# KiCad board architeuthis_dux_right.kicad_pcb (continued)
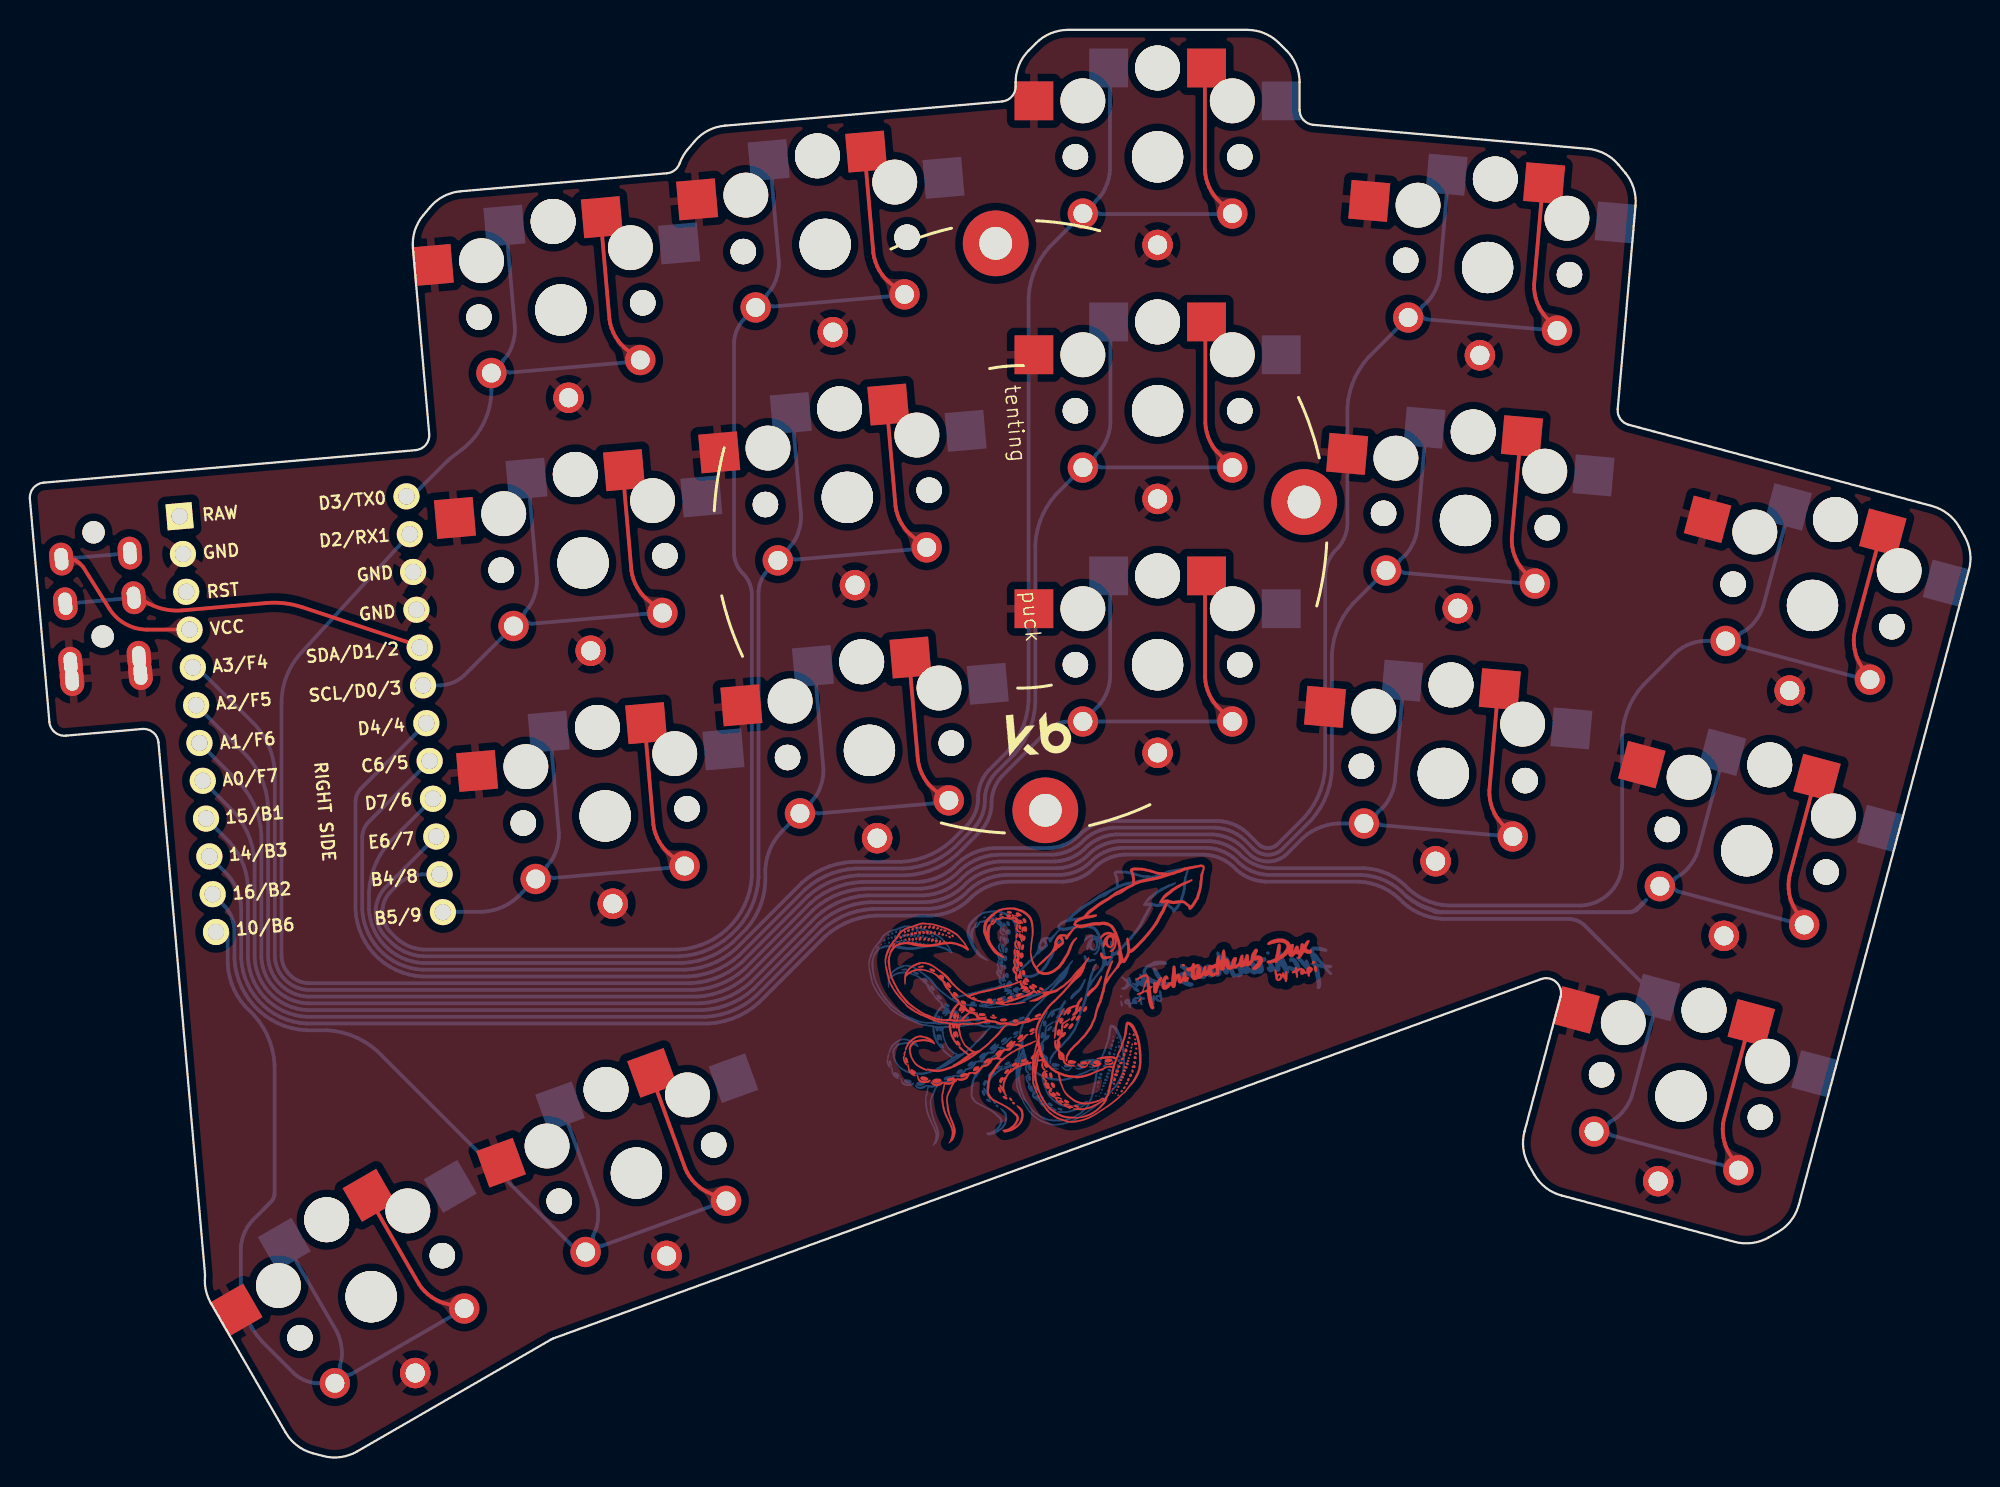
[diagram p0: board, top side]
## Routing (per net, layer and track width the routed paths; a pad name or vN(x,y) marks a point on that pad's centre or on a via; arc(x,y) is an arc through that point) (continued)
P7: length 140.8
  Top w0.25: 114.35,19.25 113.62,20.5 113.5,20.78 113.4,21.07 113.33,21.37 113.29,21.67 113.28,21.98 113.3,22.29 113.35,22.59 115.08,29.05
  Bottom w0.25: 114.35,19.25 105.86,21.53 105.72,21.61 105.62,21.73 105.55,21.88 105.53,22.03 105.56,22.19 105.63,22.33 105.74,22.45 106.02,22.61 106.22,22.75 106.4,22.91 106.56,23.09 106.81,23.41 106.97,23.67 107.11,23.95 107.22,24.23 108.95,30.69 ; C1.10 13.2,39.03 13.43,38.75 13.63,38.45 13.79,38.14 13.93,37.81 14.03,37.47 14.1,37.12 14.14,36.76 14.14,33.39 14.18,32.95 14.27,32.5 14.4,32.07 14.58,31.65 14.79,31.26 15.04,30.88 15.33,30.53 15.64,30.21 15.99,29.93 16.37,29.68 16.77,29.46 17.18,29.29 17.61,29.16 18.06,29.07 18.51,29.03 45.39,29.03 45.92,29.08 46.45,29.18 46.96,29.34 47.45,29.54 47.93,29.8 48.37,30.09 48.78,30.43 53.2,34.85 53.61,35.19 54.06,35.48 54.53,35.74 55.02,35.94 55.53,36.1 56.06,36.2 56.59,36.25 60.35,36.25 60.73,36.29 61.1,36.36 61.47,36.47 61.82,36.62 62.16,36.8 62.47,37.01 62.77,37.25 63.04,37.52 63.33,37.77 63.65,37.98 63.98,38.16 64.34,38.3 64.7,38.41 65.07,38.49 65.45,38.53 69.17,38.53 69.47,38.55 69.77,38.61 70.06,38.7 70.34,38.82 70.61,38.96 70.86,39.13 71.1,39.32 71.31,39.54 71.55,39.73 71.8,39.9 72.07,40.04 72.35,40.16 72.64,40.25 72.94,40.31 73.24,40.34 78.59,40.34 78.9,40.31 79.19,40.25 79.49,40.16 79.77,40.04 80.03,39.9 80.29,39.73 80.52,39.54 80.74,39.32 80.97,39.13 81.22,38.96 81.49,38.82 81.77,38.7 82.06,38.61 82.36,38.55 82.66,38.53 88.94,38.53 89.35,38.48 89.77,38.4 90.17,38.28 90.55,38.12 90.92,37.92 91.27,37.69 91.59,37.42 91.89,37.13 92.21,36.86 92.56,36.63 92.93,36.43 93.32,36.27 93.72,36.15 94.13,36.07 94.55,36.03 103.01,36.03 103.17,36.01 103.33,35.98 103.48,35.93 103.63,35.87 103.77,35.8 103.9,35.71 104.03,35.61 S1.1
P8: length 66.1
  Top w0.25: 46.58,17.16 45.28,17.77 45.01,17.93 44.76,18.11 44.54,18.31 44.33,18.54 44.15,18.78 43.99,19.05 43.86,19.32 41.57,25.61
  Bottom w0.25: 35.6,23.43 37.89,17.15 37.96,16.85 38.01,16.55 38.03,16.25 38.01,15.84 37.98,15.6 37.92,15.37 37.84,15.14 37.7,14.84 37.68,14.68 37.7,14.53 37.77,14.38 37.88,14.27 38.01,14.19 38.17,14.15 38.32,14.16 46.58,17.16 ; C1.11 13.05,36.87 13.2,36.68 13.34,36.48 13.45,36.26 13.55,36.04 13.62,35.8 13.67,35.56 13.69,35.32 13.69,33.37 13.74,32.88 13.83,32.39 13.98,31.92 14.17,31.46 14.4,31.02 14.68,30.61 14.99,30.23 15.34,29.88 15.72,29.56 16.14,29.29 16.57,29.06 17.03,28.87 17.51,28.72 17.99,28.63 18.48,28.58 19.86,28.58 20.39,28.53 20.92,28.42 21.43,28.27 21.92,28.06 22.4,27.81 22.84,27.51 23.25,27.17 36.54,13.89 36.58,13.85 36.63,13.82 36.68,13.79 36.74,13.77 36.8,13.75 36.85,13.74 36.91,13.73 S32.1
P9: length 66.4
  Top w0.25: 22.69,17.38 26.03,11.59 26.21,11.34 26.41,11.11 26.63,10.9 26.88,10.72 27.14,10.56 27.41,10.42 27.7,10.31 29.09,9.94
  Bottom w0.25: 29.09,9.94 21.48,5.55 21.32,5.51 21.17,5.52 21.02,5.58 20.89,5.67 20.8,5.8 20.75,5.95 20.74,6.11 20.83,6.43 20.87,6.67 20.88,6.91 20.88,7.15 20.82,7.55 20.75,7.85 20.66,8.14 20.53,8.42 17.19,14.21 ; S34.1 19.25,4.95 19,4.97 18.76,5.02 18.52,5.09 18.3,5.18 18.08,5.3 17.87,5.44 17.68,5.59 15.52,7.76 15.18,8.17 14.88,8.62 14.63,9.09 14.43,9.58 14.27,10.09 14.17,10.62 14.11,11.15 14.11,13.97 14.14,14.27 14.2,14.56 14.29,14.84 14.4,15.11 14.54,15.37 14.7,15.61 14.89,15.84 16.15,17.1 16.2,17.17 16.25,17.24 16.29,17.31 16.32,17.39 16.35,17.47 16.36,17.56 16.37,17.64 16.37,26.26 16.32,26.78 16.22,27.3 16.07,27.8 15.87,28.29 15.62,28.75 15.33,29.19 14.99,29.59 14.41,30.17 14.13,30.52 13.88,30.89 13.67,31.28 13.5,31.69 13.37,32.12 13.28,32.56 13.24,33 13.24,35.08 13.24,35.09 13.23,35.11 13.22,35.12 13.21,35.13 13.2,35.14 13.19,35.15 13.17,35.15 13.16,35.15 12.61,35.15 12.58,35.15 12.54,35.14 12.52,35.12 12.49,35.09 12.47,35.06 12.46,35.03 12.45,35 12.45,34.81 ; 16.46,14.82 S33.1
P10: length 36.2
  Top w0.25: 43.8,39.54 42.69,40.47 42.48,40.69 42.29,40.92 42.12,41.18 41.98,41.45 41.87,41.74 41.78,42.03 41.72,42.33 41.14,48.99
  Bottom w0.25: C1.24 27.65,36.5 27.67,36.51 27.68,36.51 30.28,36.51 30.65,36.54 31.01,36.62 31.36,36.72 31.7,36.86 32.03,37.04 32.33,37.24 32.62,37.48 S26.1 ; 43.8,39.54 35.04,38.77 34.89,38.81 34.75,38.88 34.64,39 34.57,39.14 34.54,39.29 34.55,39.45 34.62,39.6 34.83,39.85 34.97,40.05 35.08,40.26 35.18,40.48 35.3,40.87 35.36,41.17 35.39,41.47 35.4,41.78 34.81,48.44
P14: length 87.6
  Top w0.25: 57.34,70.31 57.93,63.64 57.98,63.34 58.07,63.05 58.18,62.77 58.33,62.49 58.49,62.24 58.68,62 58.9,61.78 60,60.85
  Bottom w0.25: C1.22 23.76,38.11 23.61,37.93 23.48,37.73 23.37,37.52 23.28,37.3 23.21,37.08 23.16,36.85 23.14,36.61 23.14,36.37 23.16,36.14 23.21,35.91 23.28,35.68 23.37,35.46 23.48,35.25 23.61,35.06 23.76,34.87 24.24,34.39 24.49,34.19 24.77,34 25.06,33.85 25.36,33.72 25.68,33.62 26,33.56 26.33,33.53 43.48,33.53 44.01,33.58 44.54,33.68 45.05,33.84 45.54,34.04 46.01,34.3 46.46,34.59 46.87,34.93 47.35,35.42 47.69,35.83 47.99,36.27 48.24,36.75 48.45,37.24 48.6,37.75 48.71,38.28 48.76,38.81 48.76,57.94 48.78,58.15 48.82,58.36 48.89,58.57 48.97,58.77 49.07,58.96 49.19,59.14 49.33,59.31 S22.1 ; 51.02,69.75 51.6,63.09 51.6,62.79 51.57,62.48 51.5,62.18 51.38,61.8 51.29,61.57 51.17,61.36 51.03,61.16 50.82,60.91 50.76,60.76 50.74,60.61 50.77,60.45 50.84,60.31 50.95,60.2 51.09,60.12 51.25,60.09 60,60.85
P15: length 75
  Top w0.25: 61.5,43.86 60.39,44.79 60.18,45.01 59.99,45.24 59.82,45.5 59.68,45.77 59.57,46.06 59.48,46.35 59.42,46.65 58.84,53.31
  Bottom w0.25: 61.5,43.86 52.75,43.09 52.59,43.12 52.45,43.2 52.34,43.31 52.27,43.46 52.24,43.61 52.26,43.77 52.32,43.91 52.53,44.17 52.67,44.37 52.78,44.58 52.88,44.8 53,45.19 53.06,45.49 53.1,45.79 53.1,46.1 52.52,52.76 ; S20.1 50.23,41.8 49.99,41.49 49.77,41.17 49.59,40.83 49.44,40.47 49.32,40.09 49.25,39.71 49.21,39.33 49.21,38.46 49.16,37.97 49.07,37.49 48.92,37.02 48.74,36.56 48.5,36.13 48.23,35.72 47.92,35.34 47.06,34.48 46.64,34.14 46.2,33.85 45.73,33.59 45.23,33.39 44.72,33.23 44.2,33.13 43.67,33.08 26.31,33.08 25.94,33.11 25.57,33.19 25.21,33.3 24.87,33.44 24.54,33.62 24.23,33.82 23.94,34.06 23.67,34.32 23.43,34.61 23.23,34.93 23.05,35.25 22.91,35.6 22.8,35.96 22.73,36.33 22.69,36.7 22.69,37.82 22.74,38.34 22.85,38.87 23,39.37 23.2,39.87 23.45,40.34 23.75,40.78 24.09,41.19 C1.21
P16: length 102
  Top w0.25: 58.52,77.8 57.42,78.73 57.2,78.94 57.01,79.18 56.84,79.44 56.7,79.71 56.59,80 56.5,80.29 56.45,80.59 55.86,87.25
  Bottom w0.25: 58.52,77.8 49.77,77.03 49.61,77.06 49.47,77.14 49.36,77.25 49.29,77.39 49.26,77.55 49.28,77.71 49.34,77.85 49.55,78.11 49.69,78.31 49.8,78.52 49.9,78.74 50.02,79.13 50.08,79.43 50.12,79.73 50.12,80.04 49.54,86.7 ; S24.1 47.76,76.15 47.6,75.97 47.47,75.76 47.35,75.55 47.26,75.33 47.19,75.09 47.14,74.86 47.12,74.61 47.12,60.49 47.14,60.29 47.18,60.09 47.24,59.9 47.31,59.72 47.41,59.54 47.52,59.38 47.64,59.22 47.79,59.08 47.91,58.93 48.02,58.76 48.12,58.59 48.19,58.4 48.25,58.21 48.29,58.01 48.31,57.82 48.31,38.89 48.26,38.39 48.16,37.89 48.01,37.4 47.82,36.94 47.58,36.49 47.3,36.06 46.97,35.67 46.62,35.31 46.22,34.99 45.8,34.71 45.35,34.47 44.88,34.27 44.4,34.13 43.9,34.03 43.39,33.98 26.35,33.98 26.07,34.01 25.79,34.06 25.52,34.14 25.25,34.25 25,34.39 24.76,34.55 24.54,34.73 24.1,35.17 23.97,35.32 23.87,35.48 23.78,35.65 23.7,35.83 23.65,36.02 23.61,36.2 23.59,36.4 23.59,36.59 23.61,36.78 23.65,36.97 23.7,37.15 23.78,37.33 23.87,37.5 23.97,37.66 24.1,37.81 24.64,38.35 24.83,38.51 25.04,38.65 25.26,38.77 25.5,38.87 25.74,38.94 25.98,38.99 26.23,39.01 C1.23
P18: length 130.5
  Top w0.25: 78.63,92.87 78.63,86.18 78.66,85.87 78.72,85.57 78.81,85.28 78.92,85 79.07,84.73 79.24,84.47 79.43,84.24 80.45,83.22
  Bottom w0.25: 72.28,92.87 72.28,86.18 72.25,85.87 72.19,85.57 72.1,85.28 71.94,84.91 71.83,84.69 71.7,84.49 71.54,84.31 71.31,84.07 71.23,83.93 71.2,83.78 71.22,83.62 71.28,83.47 71.38,83.35 71.51,83.26 71.66,83.22 80.45,83.22 ; S18.1 68.23,81.02 67.9,80.61 67.6,80.16 67.35,79.69 67.14,79.2 66.99,78.68 66.88,78.16 66.83,77.63 66.83,50.63 66.78,50.1 66.67,49.57 66.52,49.06 66.31,48.57 66.06,48.1 65.76,47.65 65.42,47.24 64.15,45.96 63.98,45.76 63.83,45.54 63.71,45.3 63.61,45.06 63.53,44.8 63.48,44.54 63.45,44.28 63.45,44.01 63.43,43.75 63.37,43.49 63.3,43.24 63.2,42.99 63.07,42.76 62.92,42.54 62.75,42.33 61.67,41.25 61.26,40.91 60.82,40.62 60.35,40.37 59.86,40.16 59.35,40.01 58.82,39.9 58.29,39.85 55.05,39.85 54.52,39.8 53.99,39.7 53.48,39.54 52.99,39.34 52.52,39.08 52.07,38.79 51.66,38.45 47.24,34.03 46.83,33.69 46.39,33.4 45.92,33.14 45.42,32.94 44.91,32.78 44.38,32.68 43.85,32.63 26.29,32.63 25.87,32.67 25.46,32.75 25.06,32.87 24.67,33.03 24.31,33.23 23.96,33.46 23.63,33.73 23.34,34.02 23.07,34.35 22.84,34.69 22.64,35.06 22.48,35.45 22.36,35.85 22.28,36.26 22.24,36.68 22.24,41.54 22.25,41.69 22.28,41.83 22.33,41.98 22.38,42.11 22.45,42.25 22.54,42.37 22.63,42.49 C1.20
P19: length 117.4
  Top w0.25: 78.66,75.91 78.66,69.22 78.69,68.91 78.75,68.61 78.84,68.32 78.95,68.04 79.1,67.77 79.27,67.51 79.46,67.28 80.48,66.26
  Bottom w0.25: 72.31,75.91 72.31,69.22 72.28,68.91 72.22,68.61 72.13,68.32 71.97,67.95 71.86,67.73 71.73,67.53 71.57,67.35 71.34,67.11 71.26,66.97 71.23,66.82 71.25,66.66 71.31,66.51 71.41,66.39 71.54,66.3 71.69,66.26 80.48,66.26 ; S16.1 68.68,64.47 68.34,64.05 68.05,63.61 67.8,63.14 67.59,62.65 67.44,62.13 67.33,61.61 67.28,61.08 67.28,50.44 67.23,49.91 67.12,49.39 66.97,48.87 66.76,48.38 66.51,47.91 66.21,47.46 65.87,47.05 64.6,45.77 64.43,45.57 64.28,45.35 64.16,45.12 64.06,44.87 63.98,44.62 63.93,44.36 63.9,44.09 63.9,43.83 63.88,43.56 63.82,43.3 63.75,43.05 63.65,42.81 63.52,42.57 63.37,42.35 63.2,42.15 61.87,40.81 61.45,40.47 61.01,40.17 60.54,39.92 60.04,39.71 59.53,39.56 59.01,39.46 58.47,39.4 55.26,39.4 54.73,39.35 54.21,39.25 53.69,39.09 53.2,38.89 52.73,38.63 52.28,38.34 51.87,38 47.46,33.58 47.04,33.24 46.6,32.95 46.13,32.69 45.63,32.49 45.12,32.33 44.6,32.23 44.06,32.18 26.27,32.18 25.8,32.22 25.35,32.31 24.91,32.45 24.48,32.62 24.07,32.84 23.69,33.1 23.33,33.39 23,33.72 22.71,34.08 22.45,34.46 22.24,34.87 22.06,35.3 21.93,35.74 21.83,36.19 21.79,36.65 21.79,43.91 21.8,44.04 21.83,44.17 21.87,44.29 21.92,44.41 21.98,44.53 22.05,44.64 22.13,44.74 C1.19
P20: length 36.8
  Top w0.25: 39.67,66.01 40.25,59.35 40.31,59.05 40.4,58.75 40.51,58.47 40.65,58.2 40.82,57.94 41.01,57.7 41.23,57.48 42.33,56.56
  Bottom w0.25: C1.18 27.47,51.67 27.72,51.69 27.96,51.74 28.2,51.81 28.43,51.9 28.64,52.02 28.85,52.16 29.04,52.31 S28.1 ; 42.33,56.56 33.58,55.79 33.42,55.82 33.28,55.9 33.17,56.01 33.1,56.15 33.07,56.31 33.09,56.47 33.15,56.61 33.36,56.87 33.5,57.07 33.61,57.28 33.71,57.5 33.83,57.88 33.89,58.18 33.93,58.49 33.93,58.79 33.35,65.46
P21: length 39.9
  Top w0.25: 40.86,73.37 39.75,74.3 39.54,74.52 39.35,74.76 39.18,75.01 39.04,75.28 38.93,75.57 38.84,75.86 38.78,76.16 38.2,82.83
  Bottom w0.25: 31.88,82.27 32.46,75.61 32.45,75.3 32.42,75 32.36,74.7 32.24,74.31 32.14,74.09 32.03,73.88 31.89,73.68 31.68,73.43 31.61,73.28 31.6,73.12 31.63,72.97 31.7,72.83 31.81,72.71 31.95,72.64 32.1,72.61 40.86,73.37 ; C1.13 25.57,64.32 27.94,66.7 arc(28.04,66.78) 28.14,66.87 28.93,67.48 arc(30.37,69.23) 30.88,71.44 S30.1

## Copper pours and planes (outline as drawn; the poured copper is in the pictures)
GND on Top: -2.93,96.65 -3.58,-4.67 137.31,-4.7 137.97,96.74
GND on Bottom: -2.92,96.63 -3.58,-4.69 137.31,-4.69 137.97,96.76
VCC on Top: 3.42,59.56 3.32,59.64 3.23,59.69 3.14,59.71 3.05,59.7 2.96,59.68 2.87,59.63 2.77,59.58 2.67,59.52 2.57,59.46 2.46,59.4 1.71,60.12 2.68,60.68 2.79,60.57 2.89,60.47 3.36,59.97 3.47,59.86 3.6,59.73
VCC on Top: 8.83,55.49 9.01,55.51 9.16,55.55 9.29,55.6 9.39,55.67 9.48,55.74 9.57,55.82 9.65,55.91 9.75,56 9.87,56.09 10.01,56.19 10.82,55.53 10.14,54.75 9.98,54.82 9.85,54.89 9.74,54.96 9.64,55.03 9.54,55.1 9.43,55.15 9.32,55.2 9.19,55.23 9.04,55.24 8.85,55.24
VCC on Bottom: 3.7,60.13 3.52,60.11 3.37,60.07 3.24,60.01 3.14,59.95 3.05,59.88 2.96,59.8 2.88,59.71 2.78,59.62 2.66,59.52 2.52,59.43 1.71,60.08 2.39,60.87 2.55,60.8 2.68,60.73 2.79,60.65 2.9,60.58 2.99,60.52 3.1,60.46 3.21,60.42 3.34,60.39 3.5,60.37 3.68,60.38
VCC on Bottom: 5.1,60.51 5.28,60.53 5.43,60.57 5.56,60.62 5.66,60.69 5.75,60.76 5.84,60.84 5.93,60.93 6.02,61.02 6.14,61.11 6.28,61.21 7.09,60.55 6.41,59.77 6.25,59.84 6.12,59.91 6.01,59.98 5.91,60.05 5.81,60.12 5.71,60.17 5.59,60.22 5.46,60.25 5.31,60.26 5.12,60.26
P0 on Top: 101.01,77.04 101.17,76.86 101.33,76.74 101.47,76.65 101.62,76.59 101.76,76.56 101.91,76.53 102.07,76.51 102.24,76.47 102.42,76.42 102.62,76.34 102.52,75.03 101.21,75.18 101.17,75.39 101.15,75.58 101.15,75.75 101.15,75.91 101.16,76.06 101.15,76.21 101.12,76.36 101.06,76.51 100.96,76.69 100.82,76.88
P0 on Bottom: 12.18,51.68 12.02,51.82 11.88,51.92 11.75,51.98 11.62,52.02 11.5,52.05 11.37,52.06 11.23,52.07 11.08,52.09 10.92,52.12 10.74,52.18 10.72,53.31 11.86,53.29 11.91,53.11 11.94,52.95 11.96,52.8 11.97,52.67 11.99,52.54 12.01,52.41 12.05,52.28 12.12,52.15 12.21,52.01 12.35,51.86
P0 on Bottom: 90.71,74.94 90.87,75.12 90.99,75.29 91.06,75.44 91.11,75.59 91.13,75.74 91.14,75.89 91.16,76.05 91.18,76.22 91.21,76.41 91.27,76.62 92.59,76.65 92.57,75.33 92.36,75.27 92.17,75.23 92,75.21 91.84,75.2 91.68,75.19 91.54,75.16 91.39,75.12 91.23,75.04 91.07,74.93 90.89,74.77
P0 on Bottom: 93.89,77.48 93.71,77.32 93.58,77.16 93.49,77.01 93.43,76.86 93.39,76.72 93.36,76.57 93.33,76.41 93.29,76.24 93.23,76.05 93.15,75.85 91.84,75.97 92.01,77.28 92.22,77.32 92.42,77.33 92.59,77.33 92.75,77.33 92.9,77.33 93.05,77.34 93.2,77.37 93.36,77.43 93.54,77.53 93.73,77.67
P0 on Bottom: 94.25,75.97 94.01,75.98 93.81,75.96 93.64,75.92 93.5,75.86 93.36,75.79 93.24,75.7 93.1,75.61 92.96,75.51 92.79,75.42 92.58,75.34 91.73,76.34 92.76,77.16 92.95,77.03 93.09,76.91 93.22,76.79 93.33,76.67 93.44,76.56 93.55,76.47 93.69,76.38 93.84,76.31 94.04,76.26 94.28,76.22
P0 on Bottom: 100.21,75.7 100.45,75.7 100.64,75.72 100.81,75.76 100.95,75.82 101.07,75.9 101.19,75.99 101.32,76.08 101.46,76.18 101.63,76.27 101.82,76.36 102.7,75.38 101.68,74.54 101.5,74.66 101.36,74.78 101.23,74.89 101.12,75.01 101.01,75.11 100.9,75.21 100.77,75.3 100.62,75.37 100.43,75.42 100.19,75.46
P1 on Top: 79.12,50.77 79.3,50.61 79.46,50.49 79.62,50.42 79.77,50.37 79.91,50.35 80.07,50.34 80.23,50.32 80.4,50.3 80.59,50.27 80.8,50.21 80.82,48.89 79.5,48.91 79.44,49.12 79.41,49.31 79.39,49.48 79.37,49.64 79.36,49.8 79.34,49.94 79.29,50.09 79.22,50.25 79.1,50.41 78.94,50.59
P1 on Bottom: 68.42,49.14 68.58,49.28 68.72,49.39 68.86,49.47 68.98,49.53 69.11,49.57 69.23,49.62 69.35,49.68 69.47,49.74 69.6,49.84 69.74,49.97 70.97,49.25 70.02,48.33 69.84,48.44 69.69,48.57 69.54,48.7 69.41,48.84 69.28,48.97 69.16,49.06 69.03,49.12 68.9,49.14 68.75,49.08 68.6,48.96
P1 on Bottom: 71.98,50.59 71.82,50.41 71.71,50.25 71.64,50.09 71.59,49.94 71.56,49.8 71.55,49.64 71.54,49.48 71.52,49.31 71.48,49.12 71.42,48.91 70.1,48.89 70.13,50.21 70.34,50.27 70.53,50.3 70.7,50.32 70.86,50.34 71.01,50.35 71.16,50.37 71.31,50.42 71.46,50.49 71.63,50.61 71.81,50.77
P1 on Bottom: 72.49,49.12 72.25,49.11 72.05,49.07 71.89,49.02 71.75,48.94 71.63,48.86 71.51,48.76 71.39,48.65 71.26,48.55 71.1,48.44 70.91,48.33 69.95,49.25 70.91,50.16 71.1,50.06 71.26,49.95 71.39,49.84 71.51,49.74 71.63,49.64 71.75,49.55 71.89,49.48 72.05,49.42 72.25,49.38 72.49,49.37
P1 on Bottom: 78.44,49.37 78.68,49.38 78.87,49.42 79.04,49.48 79.17,49.55 79.3,49.64 79.41,49.74 79.53,49.84 79.67,49.95 79.83,50.06 80.02,50.16 80.97,49.25 80.02,48.33 79.83,48.44 79.67,48.55 79.53,48.65 79.41,48.76 79.3,48.86 79.17,48.94 79.04,49.02 78.87,49.07 78.68,49.11 78.44,49.12
P1 on Bottom: 23.98,60.43 24.12,60.59 24.22,60.73 24.28,60.86 24.32,60.99 24.35,61.11 24.36,61.24 24.37,61.38 24.39,61.53 24.42,61.69 24.47,61.87 25.61,61.89 25.59,60.75 25.41,60.7 25.25,60.67 25.1,60.65 24.97,60.64 24.84,60.62 24.71,60.6 24.58,60.56 24.45,60.49 24.31,60.4 24.16,60.26
P2 on Top: 8.3,56.83 8.2,56.92 8.11,56.97 8.01,56.99 7.92,56.98 7.84,56.95 7.74,56.91 7.65,56.86 7.55,56.8 7.45,56.73 7.34,56.68 6.59,57.4 7.55,57.96 7.67,57.85 7.76,57.75 8.24,57.25 8.35,57.14 8.48,57.01
P2 on Bottom: 3.97,57.14 3.78,57.12 3.63,57.08 3.51,57.02 3.4,56.96 3.31,56.89 3.23,56.81 3.14,56.72 3.04,56.63 2.92,56.54 2.78,56.44 1.97,57.09 2.66,57.88 2.81,57.81 2.94,57.74 3.05,57.67 3.16,57.6 3.26,57.53 3.36,57.48 3.47,57.43 3.6,57.4 3.76,57.39 3.94,57.39
P2 on Bottom: 5.36,57.52 5.54,57.54 5.7,57.58 5.82,57.64 5.92,57.7 6.01,57.77 6.1,57.85 6.19,57.94 6.29,58.03 6.4,58.12 6.54,58.22 7.35,57.57 6.67,56.78 6.51,56.85 6.38,56.92 6.27,56.99 6.17,57.06 6.07,57.13 5.97,57.18 5.85,57.23 5.72,57.26 5.57,57.27 5.38,57.27
P3 on Top: 99.52,60.06 99.68,59.89 99.83,59.77 99.97,59.69 100.11,59.64 100.25,59.6 100.4,59.58 100.56,59.56 100.72,59.54 100.9,59.49 101.1,59.42 101.05,58.1 99.74,58.21 99.69,58.42 99.67,58.6 99.66,58.77 99.66,58.93 99.66,59.08 99.65,59.23 99.62,59.38 99.56,59.54 99.47,59.71 99.33,59.9
P3 on Bottom: 12.27,49.01 12.12,49.15 11.98,49.25 11.85,49.32 11.72,49.36 11.59,49.38 11.46,49.39 11.33,49.41 11.18,49.42 11.02,49.46 10.84,49.51 10.82,50.65 11.95,50.62 12.01,50.45 12.04,50.28 12.06,50.14 12.07,50 12.08,49.87 12.11,49.74 12.15,49.62 12.21,49.48 12.31,49.34 12.45,49.19
P3 on Bottom: 89.23,58.01 89.39,58.19 89.5,58.35 89.58,58.51 89.62,58.66 89.65,58.81 89.66,58.96 89.68,59.12 89.69,59.29 89.73,59.48 89.79,59.69 91.11,59.71 91.08,58.39 90.87,58.33 90.69,58.3 90.51,58.28 90.35,58.27 90.2,58.25 90.05,58.23 89.91,58.18 89.75,58.11 89.59,57.99 89.41,57.83
P3 on Bottom: 92.39,60.51 92.22,60.34 92.09,60.19 92,60.04 91.94,59.89 91.9,59.75 91.87,59.6 91.84,59.44 91.81,59.28 91.75,59.09 91.66,58.89 90.35,59.05 90.55,60.35 90.76,60.38 90.95,60.39 91.12,60.39 91.28,60.38 91.42,60.37 91.57,60.38 91.72,60.41 91.88,60.46 92.05,60.56 92.23,60.7
P3 on Bottom: 92.77,59 92.52,59.01 92.32,58.99 92.15,58.95 92,58.89 91.86,58.82 91.73,58.73 91.6,58.64 91.45,58.55 91.27,58.47 91.06,58.39 90.25,59.42 91.32,60.2 91.49,60.07 91.63,59.94 91.75,59.82 91.86,59.7 91.97,59.59 92.08,59.49 92.21,59.41 92.36,59.34 92.55,59.28 92.79,59.25
P3 on Bottom: 98.72,58.73 98.95,58.72 99.14,58.74 99.31,58.79 99.44,58.85 99.57,58.93 99.69,59.02 99.81,59.11 99.95,59.21 100.11,59.32 100.3,59.41 101.22,58.46 100.24,57.58 100.05,57.7 99.89,57.81 99.76,57.93 99.65,58.04 99.54,58.14 99.42,58.24 99.29,58.32 99.13,58.39 98.93,58.45 98.69,58.48
P4 on Top: 98.02,43.17 98.18,42.99 98.34,42.87 98.48,42.78 98.63,42.72 98.77,42.69 98.92,42.66 99.08,42.64 99.25,42.61 99.43,42.56 99.64,42.48 99.56,41.16 98.25,41.29 98.2,41.5 98.18,41.69 98.18,41.86 98.18,42.02 98.18,42.18 98.16,42.33 98.13,42.48 98.07,42.64 97.97,42.81 97.83,43.01
P4 on Bottom: 87.24,42.54 87.48,42.56 87.68,42.59 87.84,42.65 87.98,42.72 88.1,42.81 88.22,42.91 88.34,43.01 88.48,43.12 88.64,43.23 88.83,43.33 89.78,42.42 88.83,41.5 88.64,41.61 88.48,41.72 88.34,41.83 88.22,41.93 88.1,42.03 87.98,42.11 87.84,42.19 87.68,42.24 87.48,42.28 87.24,42.29
P4 on Bottom: 12.49,46.48 12.34,46.62 12.2,46.72 12.07,46.79 11.94,46.83 11.81,46.85 11.68,46.86 11.55,46.88 11.4,46.89 11.24,46.93 11.06,46.98 11.04,48.12 12.18,48.09 12.23,47.91 12.26,47.75 12.28,47.61 12.29,47.47 12.3,47.34 12.33,47.21 12.37,47.09 12.43,46.95 12.53,46.81 12.67,46.66
P4 on Bottom: 90.9,43.61 90.72,43.45 90.59,43.3 90.51,43.15 90.45,43.01 90.41,42.86 90.39,42.71 90.36,42.55 90.33,42.38 90.27,42.2 90.19,42 88.88,42.09 89.03,43.4 89.24,43.45 89.43,43.46 89.6,43.47 89.76,43.46 89.91,43.46 90.06,43.47 90.21,43.51 90.37,43.56 90.54,43.66 90.73,43.8
P4 on Bottom: 91.27,42.11 91.03,42.11 90.83,42.09 90.66,42.05 90.52,41.99 90.39,41.92 90.27,41.83 90.13,41.74 89.99,41.64 89.82,41.55 89.62,41.46 88.76,42.47 89.8,43.28 89.98,43.16 90.13,43.04 90.25,42.92 90.36,42.8 90.47,42.7 90.58,42.6 90.71,42.51 90.86,42.44 91.06,42.39 91.29,42.35
P4 on Bottom: 97.22,41.84 97.46,41.83 97.66,41.85 97.82,41.89 97.97,41.95 98.1,42.03 98.22,42.12 98.35,42.21 98.49,42.31 98.66,42.4 98.86,42.49 99.74,41.51 98.72,40.67 98.54,40.79 98.39,40.91 98.26,41.03 98.15,41.14 98.04,41.25 97.92,41.34 97.79,41.43 97.63,41.5 97.44,41.55 97.2,41.59
P5 on Top: 122.21,53.8 122.34,53.6 122.46,53.46 122.59,53.36 122.72,53.28 122.85,53.23 122.99,53.19 123.14,53.14 123.3,53.09 123.47,53.02 123.66,52.92 123.41,51.63 122.13,51.92 122.11,52.14 122.12,52.33 122.14,52.5 122.16,52.65 122.19,52.8 122.2,52.95 122.2,53.1 122.17,53.27 122.1,53.46 121.99,53.67
P5 on Bottom: 111.45,54.76 111.69,54.78 111.88,54.81 112.05,54.87 112.18,54.94 112.31,55.03 112.42,55.13 112.54,55.23 112.68,55.34 112.84,55.45 113.03,55.55 113.98,54.64 113.03,53.72 112.84,53.83 112.68,53.94 112.54,54.05 112.42,54.15 112.31,54.25 112.18,54.33 112.05,54.41 111.88,54.46 111.69,54.5 111.45,54.51
P5 on Bottom: 12.72,43.95 12.56,44.09 12.42,44.19 12.29,44.26 12.16,44.3 12.03,44.32 11.91,44.33 11.77,44.35 11.62,44.36 11.46,44.4 11.28,44.45 11.26,45.59 12.4,45.56 12.45,45.38 12.48,45.22 12.5,45.08 12.51,44.94 12.53,44.81 12.55,44.68 12.59,44.56 12.66,44.42 12.75,44.28 12.89,44.13
P5 on Bottom: 115.27,55.47 115.07,55.34 114.92,55.21 114.81,55.08 114.73,54.95 114.67,54.82 114.62,54.67 114.56,54.53 114.49,54.37 114.4,54.2 114.28,54.02 113.02,54.41 113.46,55.66 113.67,55.65 113.85,55.62 114.01,55.59 114.16,55.55 114.31,55.52 114.45,55.5 114.6,55.5 114.76,55.52 114.94,55.59 115.15,55.69
P5 on Bottom: 115.38,53.92 115.14,53.97 114.93,53.99 114.76,53.98 114.6,53.95 114.46,53.9 114.31,53.84 114.16,53.78 114,53.72 113.81,53.67 113.59,53.63 112.99,54.81 114.19,55.36 114.34,55.2 114.45,55.05 114.54,54.9 114.63,54.77 114.71,54.64 114.8,54.53 114.91,54.42 115.05,54.32 115.22,54.24 115.44,54.16
P5 on Bottom: 121.19,52.62 121.42,52.58 121.61,52.56 121.78,52.58 121.93,52.61 122.07,52.67 122.2,52.74 122.34,52.81 122.49,52.89 122.67,52.97 122.87,53.03 123.63,51.96 122.53,51.24 122.35,51.38 122.22,51.52 122.11,51.65 122.01,51.78 121.91,51.9 121.81,52.02 121.69,52.12 121.54,52.22 121.36,52.31 121.13,52.38
P6 on Top: 117.84,37.42 117.97,37.22 118.1,37.07 118.23,36.96 118.36,36.88 118.5,36.83 118.64,36.78 118.79,36.72 118.95,36.66 119.12,36.58 119.3,36.47 118.99,35.19 117.72,35.55 117.71,35.77 117.73,35.96 117.76,36.13 117.79,36.28 117.81,36.43 117.83,36.58 117.83,36.73 117.8,36.9 117.73,37.08 117.63,37.29
P6 on Bottom: 107.55,36.87 107.71,37.05 107.83,37.22 107.9,37.37 107.95,37.52 107.97,37.67 107.99,37.82 108,37.98 108.02,38.15 108.05,38.34 108.11,38.55 109.43,38.58 109.41,37.26 109.2,37.2 109.01,37.16 108.84,37.14 108.68,37.13 108.53,37.12 108.38,37.09 108.23,37.05 108.07,36.97 107.91,36.86 107.73,36.7
P6 on Bottom: 12.94,41.42 12.78,41.56 12.64,41.66 12.51,41.72 12.38,41.77 12.26,41.79 12.13,41.8 11.99,41.82 11.84,41.83 11.68,41.87 11.5,41.92 11.48,43.06 12.62,43.03 12.67,42.85 12.7,42.69 12.72,42.55 12.73,42.41 12.75,42.28 12.77,42.15 12.81,42.03 12.88,41.89 12.98,41.75 13.11,41.6
P6 on Bottom: 107.69,37.01 107.82,37.15 107.91,37.28 107.97,37.4 108.01,37.53 108.04,37.65 108.05,37.77 108.06,37.89 108.05,38.14 108.06,38.28 109.43,38.58 109.14,37.2 109,37.2 108.74,37.2 108.62,37.2 108.5,37.18 108.38,37.16 108.26,37.12 108.13,37.05 108.01,36.96 107.87,36.84
P6 on Bottom: 110.9,39.1 110.7,38.96 110.55,38.83 110.43,38.7 110.35,38.57 110.28,38.43 110.23,38.29 110.17,38.14 110.11,37.98 110.02,37.81 109.9,37.62 108.63,37.98 109.03,39.23 109.25,39.23 109.44,39.21 109.61,39.18 109.76,39.15 109.91,39.12 110.06,39.1 110.21,39.11 110.38,39.14 110.57,39.2 110.78,39.31
P6 on Bottom: 111,37.55 110.76,37.6 110.56,37.62 110.39,37.6 110.23,37.57 110.09,37.52 109.95,37.46 109.8,37.39 109.64,37.32 109.46,37.26 109.24,37.22 108.59,38.36 109.76,38.97 109.91,38.82 110.03,38.67 110.13,38.53 110.22,38.39 110.31,38.27 110.4,38.15 110.52,38.05 110.66,37.95 110.84,37.86 111.07,37.79
P6 on Bottom: 116.82,36.25 117.05,36.2 117.25,36.18 117.42,36.2 117.56,36.24 117.7,36.29 117.84,36.36 117.98,36.43 118.13,36.5 118.31,36.57 118.52,36.62 119.23,35.51 118.09,34.85 117.93,34.99 117.8,35.14 117.69,35.27 117.6,35.4 117.52,35.53 117.42,35.64 117.31,35.75 117.16,35.85 116.99,35.93 116.76,36.01
P7 on Top: 113.45,21.05 113.58,20.85 113.72,20.69 113.85,20.58 113.98,20.49 114.12,20.43 114.26,20.37 114.41,20.31 114.57,20.24 114.74,20.15 114.93,20.03 114.57,18.76 113.32,19.17 113.32,19.39 113.34,19.58 113.37,19.75 113.4,19.91 113.43,20.06 113.45,20.2 113.44,20.36 113.41,20.53 113.34,20.72 113.23,20.93
P7 on Bottom: 13.16,38.89 13,39.03 12.86,39.13 12.73,39.19 12.6,39.24 12.48,39.26 12.35,39.27 12.21,39.29 12.06,39.3 11.9,39.33 11.72,39.39 11.7,40.53 12.84,40.5 12.89,40.32 12.92,40.16 12.94,40.02 12.95,39.88 12.97,39.75 12.99,39.62 13.03,39.5 13.1,39.36 13.2,39.22 13.34,39.07
P7 on Bottom: 106.49,22.74 106.29,22.61 106.13,22.48 106.02,22.35 105.94,22.21 105.88,22.08 105.83,21.93 105.78,21.78 105.72,21.62 105.64,21.44 105.53,21.25 104.24,21.53 104.57,22.81 104.79,22.82 104.98,22.81 105.16,22.79 105.32,22.77 105.47,22.74 105.62,22.73 105.78,22.74 105.95,22.77 106.14,22.84 106.36,22.95
P7 on Bottom: 106.61,21.2 106.38,21.25 106.18,21.26 106.01,21.25 105.86,21.21 105.73,21.16 105.59,21.09 105.45,21.02 105.29,20.94 105.12,20.87 104.91,20.81 104.18,21.91 105.3,22.6 105.47,22.45 105.6,22.31 105.71,22.17 105.81,22.04 105.9,21.92 106,21.8 106.11,21.7 106.26,21.6 106.44,21.51 106.68,21.44
P7 on Bottom: 112.42,19.9 112.66,19.85 112.86,19.83 113.04,19.84 113.19,19.88 113.33,19.93 113.48,19.99 113.62,20.05 113.79,20.12 113.97,20.17 114.19,20.22 114.82,19.06 113.63,18.47 113.48,18.63 113.37,18.78 113.27,18.92 113.18,19.05 113.1,19.18 113.01,19.3 112.9,19.4 112.76,19.5 112.58,19.58 112.36,19.66
P8 on Top: 44.8,18.13 45.02,18.04 45.22,17.99 45.39,17.97 45.55,17.98 45.7,18.01 45.84,18.05 46,18.09 46.17,18.13 46.36,18.16 46.58,18.17 47.05,16.94 45.79,16.52 45.67,16.7 45.57,16.86 45.49,17.02 45.43,17.16 45.36,17.3 45.29,17.43 45.19,17.56 45.07,17.68 44.91,17.79 44.69,17.91
P8 on Bottom: 35.63,14.97 35.79,14.83 35.94,14.74 36.08,14.68 36.21,14.65 36.35,14.65 36.49,14.67 36.64,14.69 36.8,14.72 36.98,14.74 37.17,14.75 37.65,13.52 36.4,13.09 36.26,13.28 36.16,13.46 36.09,13.62 36.03,13.78 35.98,13.94 35.93,14.09 35.86,14.25 35.77,14.42 35.63,14.6 35.45,14.8
P8 on Bottom: 13.38,36.36 13.23,36.5 13.09,36.6 12.95,36.66 12.83,36.7 12.7,36.73 12.57,36.74 12.43,36.75 12.29,36.77 12.13,36.8 11.95,36.86 11.92,38 13.06,37.97 13.11,37.79 13.15,37.63 13.16,37.49 13.18,37.35 13.19,37.22 13.21,37.09 13.25,36.97 13.32,36.83 13.42,36.69 13.56,36.54
P8 on Bottom: 38.16,15.53 38.07,15.3 38.02,15.11 38,14.94 38.01,14.78 38.03,14.63 38.07,14.49 38.12,14.33 38.16,14.16 38.19,13.97 38.21,13.76 36.98,13.27 36.54,14.52 36.72,14.65 36.88,14.75 37.04,14.83 37.19,14.89 37.32,14.96 37.45,15.04 37.58,15.13 37.7,15.25 37.82,15.42 37.93,15.63
P8 on Bottom: 39.13,14.32 38.91,14.22 38.74,14.12 38.61,14.01 38.5,13.9 38.42,13.77 38.34,13.64 38.27,13.5 38.18,13.35 38.07,13.2 37.92,13.03 36.71,13.56 37.28,14.75 37.5,14.71 37.69,14.67 37.85,14.61 38,14.56 38.15,14.51 38.29,14.47 38.45,14.45 38.62,14.45 38.82,14.48 39.05,14.55
P8 on Bottom: 44.64,16.59 44.86,16.68 45.03,16.78 45.16,16.89 45.27,17.01 45.36,17.13 45.43,17.26 45.51,17.4 45.6,17.55 45.72,17.7 45.86,17.87 47.07,17.32 46.47,16.14 46.26,16.18 46.07,16.23 45.91,16.28 45.76,16.34 45.62,16.39 45.47,16.43 45.32,16.46 45.15,16.45 44.95,16.42 44.72,16.35
P9 on Top: 27.17,10.58 27.4,10.54 27.59,10.52 27.76,10.54 27.91,10.57 28.05,10.63 28.19,10.69 28.33,10.76 28.49,10.83 28.66,10.89 28.87,10.94 29.56,9.82 28.4,9.18 28.25,9.33 28.12,9.47 28.02,9.61 27.93,9.74 27.85,9.87 27.75,9.98 27.64,10.09 27.5,10.18 27.33,10.27 27.1,10.34
P9 on Bottom: 13.11,33.88 13.1,33.99 13.08,34.07 13.03,34.14 12.98,34.19 12.91,34.22 12.83,34.25 12.74,34.26 12.64,34.27 12.54,34.28 12.44,34.28 12.06,35.35 13.33,35.15 13.33,35 13.33,34.87 13.34,34.75 13.36,34.33 13.36,34.2 13.36,34.06 13.36,33.88
P9 on Bottom: 18.38,5.07 18.62,5.08 18.82,5.12 18.98,5.18 19.12,5.25 19.24,5.34 19.36,5.44 19.48,5.54 19.61,5.65 19.77,5.76 19.96,5.86 20.91,4.95 19.96,4.03 19.77,4.14 19.61,4.25 19.48,4.35 19.36,4.46 19.24,4.55 19.12,4.64 18.98,4.72 18.82,4.77 18.62,4.81 18.38,4.82
P9 on Bottom: 21.08,6.86 21.03,6.63 21.01,6.43 21.02,6.25 21.06,6.1 21.11,5.96 21.17,5.82 21.24,5.67 21.3,5.51 21.36,5.33 21.41,5.11 20.26,4.46 19.65,5.63 19.81,5.78 19.96,5.9 20.1,6 20.23,6.09 20.36,6.18 20.47,6.27 20.58,6.38 20.67,6.52 20.76,6.7 20.83,6.93
P9 on Bottom: 22.24,5.84 22.04,5.71 21.88,5.58 21.77,5.45 21.68,5.31 21.62,5.18 21.56,5.03 21.51,4.88 21.44,4.72 21.35,4.55 21.24,4.36 19.96,4.7 20.35,5.96 20.57,5.96 20.76,5.94 20.93,5.92 21.09,5.89 21.24,5.86 21.39,5.84 21.54,5.85 21.71,5.88 21.9,5.95 22.11,6.06
P9 on Bottom: 27.27,9.03 27.47,9.16 27.62,9.29 27.73,9.42 27.81,9.55 27.87,9.69 27.92,9.83 27.97,9.98 28.03,10.14 28.11,10.31 28.22,10.5 29.5,10.21 29.16,8.93 28.94,8.93 28.75,8.94 28.58,8.96 28.42,8.99 28.27,9.02 28.12,9.03 27.97,9.02 27.8,8.99 27.61,8.93 27.4,8.82
P10 on Top: 42.33,40.94 42.52,40.8 42.69,40.7 42.85,40.64 43,40.61 43.14,40.6 43.29,40.61 43.45,40.61 43.62,40.61 43.81,40.6 44.02,40.57 44.21,39.26 42.9,39.13 42.81,39.33 42.75,39.51 42.71,39.68 42.69,39.84 42.66,39.99 42.62,40.13 42.56,40.28 42.47,40.43 42.34,40.58 42.17,40.75
P10 on Bottom: 29.4,36.38 29.19,36.37 29.02,36.34 28.88,36.29 28.76,36.23 28.66,36.16 28.56,36.08 28.45,35.99 28.34,35.89 28.2,35.8 28.04,35.71 27.2,36.47 28,37.28 28.17,37.2 28.31,37.11 28.43,37.02 28.54,36.93 28.64,36.85 28.75,36.78 28.87,36.72 29.01,36.67 29.19,36.64 29.4,36.63
P10 on Bottom: 32.33,37.36 32.49,37.54 32.6,37.7 32.67,37.86 32.72,38.01 32.74,38.15 32.76,38.31 32.77,38.47 32.79,38.64 32.83,38.83 32.89,39.04 34.21,39.06 34.18,37.74 33.97,37.68 33.78,37.65 33.61,37.63 33.45,37.61 33.3,37.6 33.15,37.58 33,37.53 32.85,37.46 32.68,37.34 32.5,37.18
